# Altium PCB FMC_ADC_128CH_10B.PcbDoc (part 8 of 14) (continued)
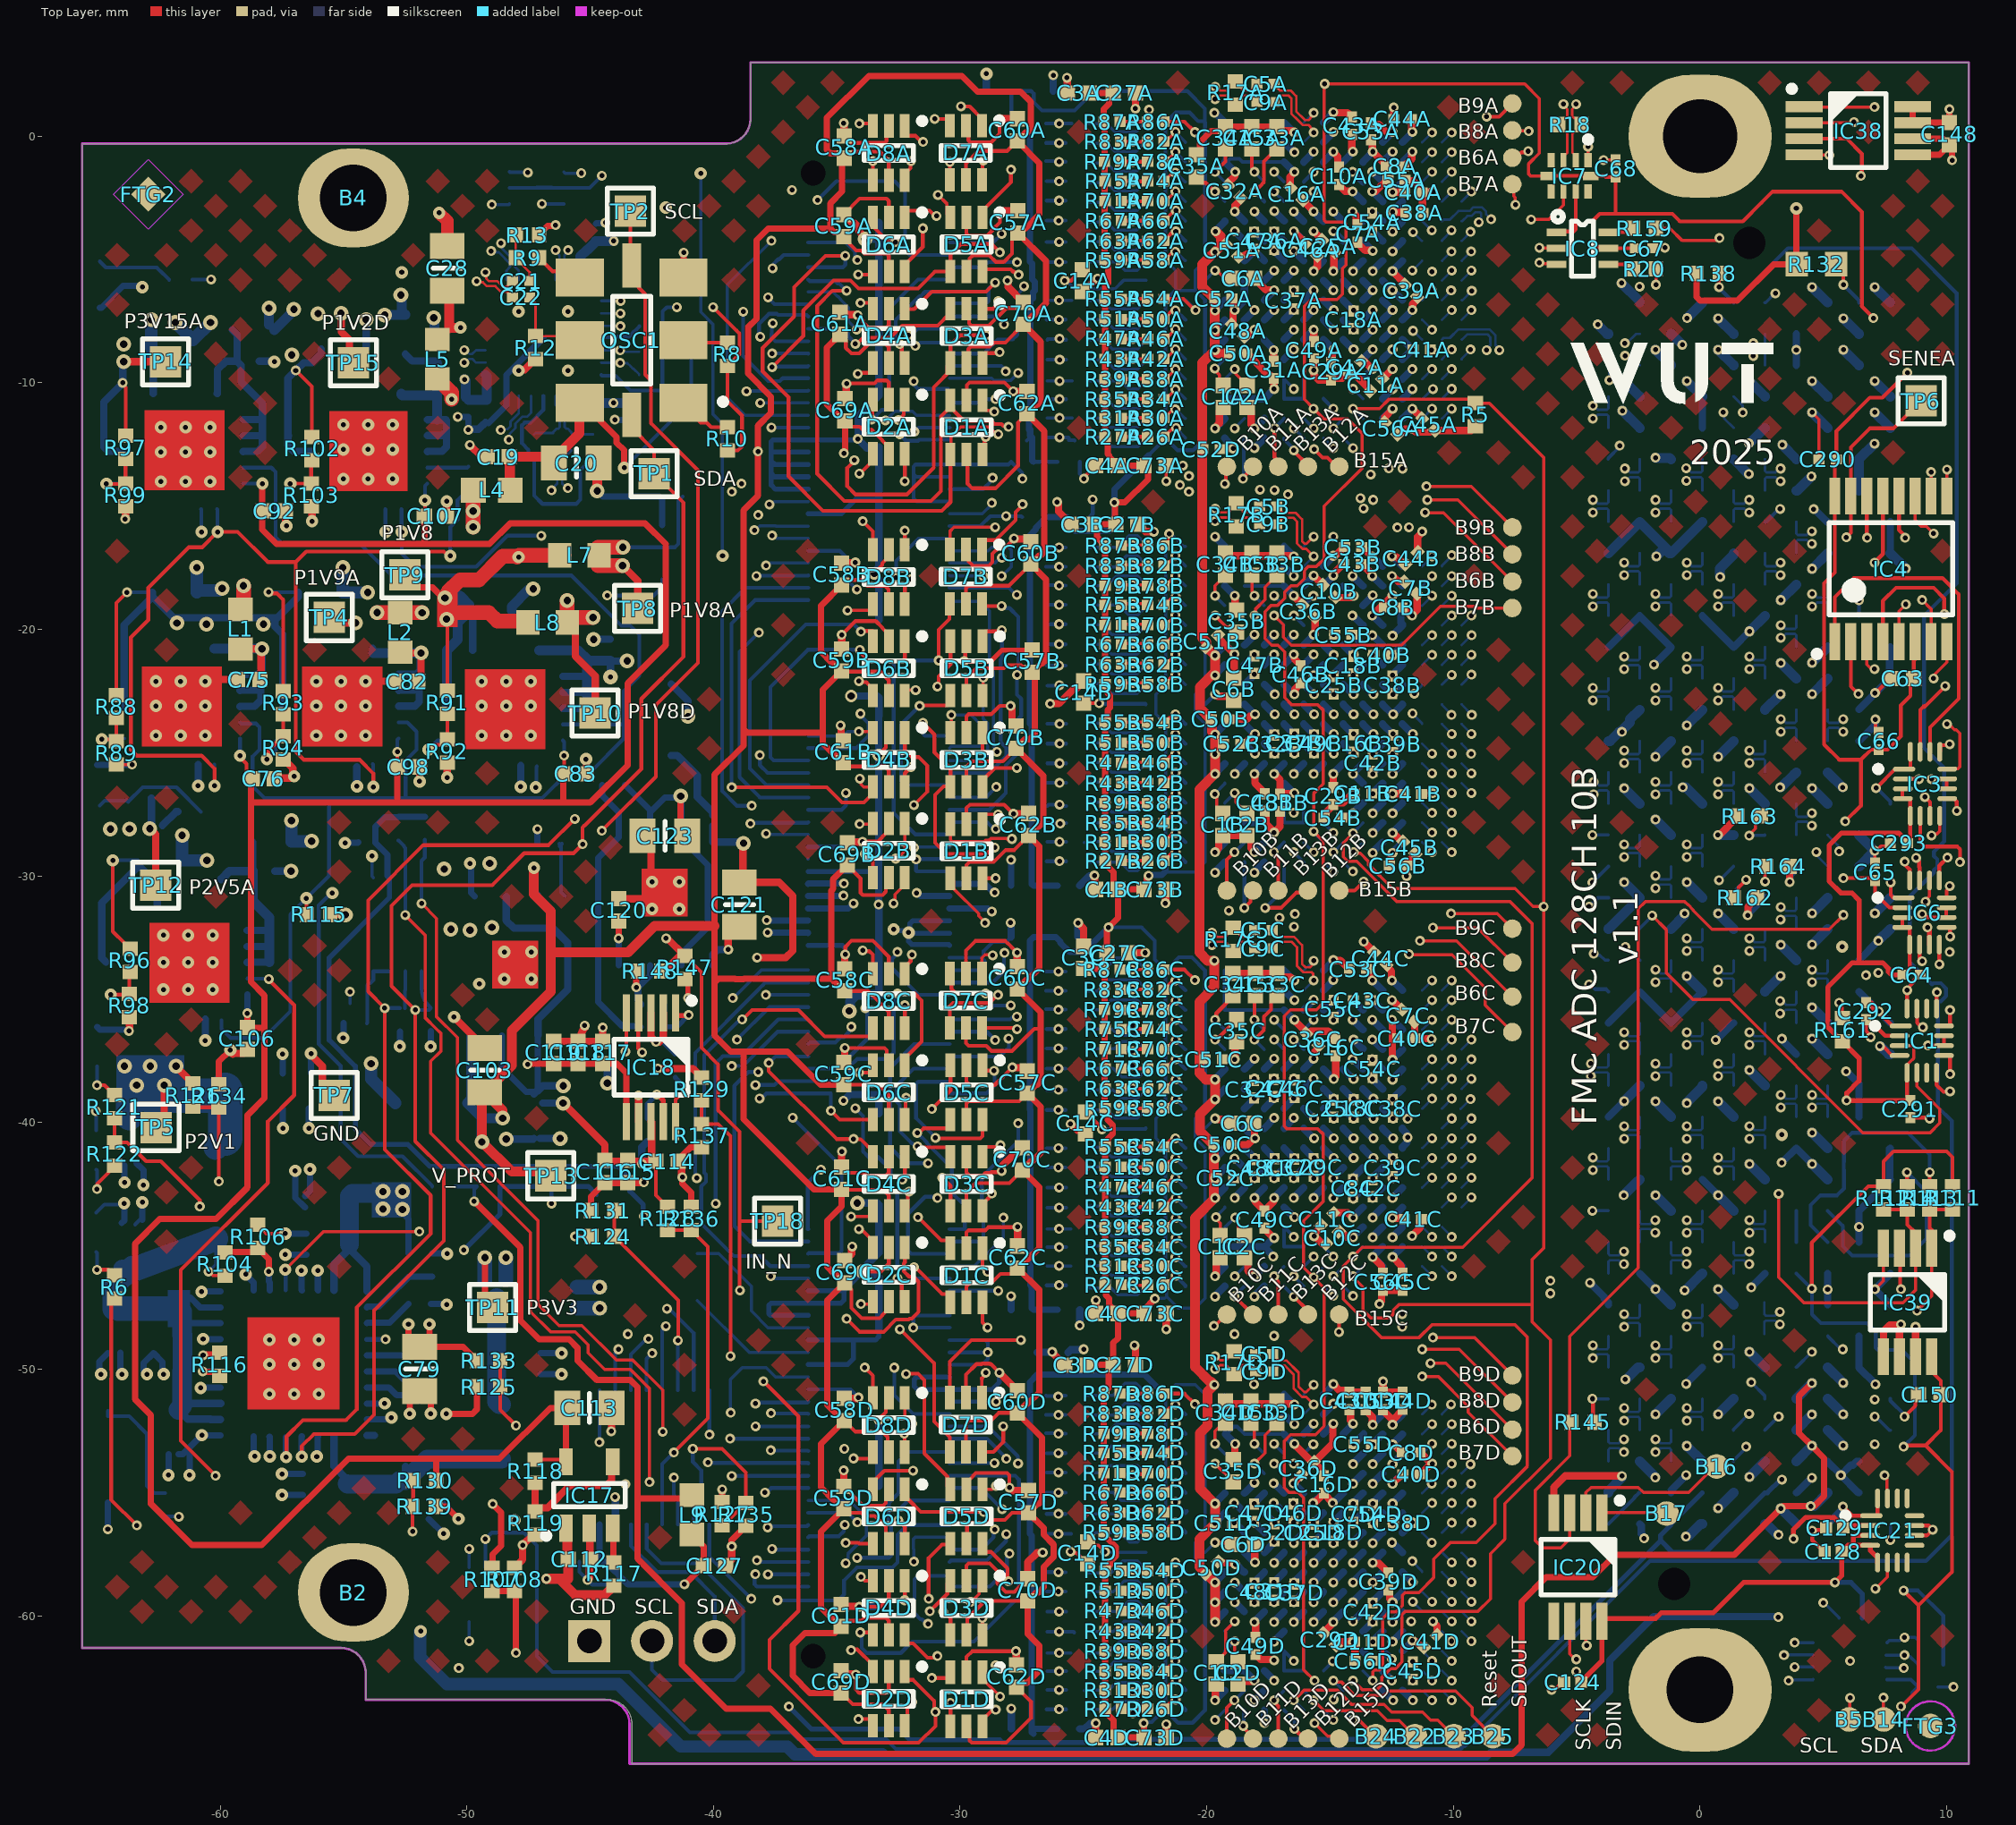
[diagram p0: Top Layer view]
## Nets (pads, with @x,y where several pads share a name; then routed paths per layer and width w, separated by ;. In a path a pad name is that pad's centre, name@x,y a point inside that pad or via, vN(x,y) a via of type N, cw(c..) or ccw(c..) an arc to the next point about the centre after c; other vN are vias at no path point) (continued)
  Bottom Layer w0.5: v3(-61.816,-7.553) -61.102,-8.266 v3(-60.388,-7.553) ; v3(-61.54,-28.351) C101.1@-61.54,-29.36 v3(-60.531,-29.36) ; v3(-60.946,-17.488) C77.1@-60.946,-18.498 -60.867,-18.419 -60.03,-18.419 -59.945,-18.334 v3(-59.918,-18.334) ; v3(-55.026,-17.488) C93.1@-55.026,-18.498 v3(-54.017,-18.498) ; v3(-53.878,-37.607) -53.878,-38.221 C110.2@-52.896,-39.204
  Bottom Layer w0.6: C96.2@-45.529,-46.665 v3(-44.617,-46.665) ; C96.2@-45.526,-47.518 v3(-44.613,-47.518)
  other v1: -14.856,-63.393 -11.657,-61.857 6.085,-61.83 -17.269,-61.797 -11.712,-60.225 -14.067,-59.448 -13.267,-59.448 -18.067,-58.648 -17.267,-58.648 -16.467,-58.648 -15.667,-58.648 -14.867,-58.648 -14.067,-58.648 -13.267,-58.648 -11.645,-58.625 -17.267,-57.848 -16.467,-57.848 -15.667,-57.848 -14.867,-57.848 -14.067,-57.848 -25.526,-57.391 -16.467,-57.048 -14.067,-57.048 -13.267,-57.048 -12.49,-57.025 -17.267,-57.003 -14.067,-56.248 -13.267,-56.248 -18.89,-56.225 -18.09,-56.225 -16.467,-56.203 -11.667,-56.203 -34.693,-53.226 -14.041,-53.019 -16.445,-52.225 -15.667,-52.203 -14.867,-51.403 -18.089,-50.611 -17.269,-48.646 -18.873,-48.573 -19.667,-47.052 -18.067,-47.052 -4.46,-46.495 -3.097,-42.947 -18.867,-42.252 -14.067,-42.252 -13.267,-42.252 -18.045,-41.43 -17.245,-41.43 -16.445,-41.43 -15.645,-41.43 -14.845,-41.43 -14.045,-41.43 -13.245,-41.43 -12.445,-41.43 -15.645,-40.63 -14.845,-40.63 -14.045,-40.63 -13.245,-40.63 -12.445,-40.63 -15.645,-39.83 -14.845,-39.83 -14.045,-39.83 -13.245,-39.83 -12.445,-39.83 -17.267,-39.807 -16.467,-39.807 -34.728,-39.112 -13.245,-39.03 -18.067,-39.007 -17.267,-39.007 -16.467,-39.007 -13.29,-38.23 -16.445,-35.03 -14.09,-35.03 -15.667,-35.007 -14.867,-35.007 -14.867,-34.207 -19.667,-29.856 -18.067,-29.856 -10.835,-26.641 -13.267,-25.056 -18.045,-24.234 -17.245,-24.234 -16.445,-24.234 -15.645,-24.234 -14.845,-24.234 -13.245,-24.234 -12.445,-24.234 -11.645,-24.234 -18.045,-23.434 -17.245,-23.434 -16.445,-23.434 -15.645,-23.434 -14.845,-23.434 -14.045,-23.434 -13.245,-23.434 -17.245,-22.634 -15.645,-22.634 -14.845,-22.634 -14.045,-22.634 -13.245,-22.634 -14.067,-21.856 -18.067,-21.811 -14.854,-20.211 -14.09,-17.834 -14.867,-17.011 -10.889,-8.663 -14.845,-7.045 -14.045,-7.045 -2.447,-6.097 -10.867,-5.49 -14.067,-5.468 -13.267,-5.468 -13.29,-3.845 -36.811,-2.18 -16.445,-0.645 -15.667,-0.623 -14.867,0.177 -19.69,0.955 -12.421,1.166
  other v2: -58,-51 -57,-51 -56,-51 -58,-49.8 -57,-49.8 -56,-49.8 -58,-48.8 -57,-48.8 -56,-48.8 -62.3,-34.6 -61.3,-34.6 -60.3,-34.6 -49.496,-34.372 -48.479,-34.178 -47.379,-34.178 -62.296,-33.496 -61.296,-33.496 -60.296,-33.496 -48.479,-33.078 -47.379,-33.078 -62.3,-32.4 -61.3,-32.4 -60.3,-32.4 -41.386,-31.334 -41.386,-30.234 -51.912,-26.161 -62.6,-24.3 -61.6,-24.3 -60.6,-24.3 -56.1,-24.3 -55.1,-24.3 -54.1,-24.3 -49.4,-24.3 -48.4,-24.3 -47.4,-24.3 -62.6,-23.1 -61.6,-23.1 -60.6,-23.1 -56.1,-23.1 -55.1,-23.1 -54.1,-23.1 -49.4,-23.1 -48.4,-23.1 -47.4,-23.1 -62.6,-22.1 -61.6,-22.1 -56.1,-22.1 -55.1,-22.1 -54.1,-22.1 -49.4,-22.1 -48.4,-22.1 -47.4,-22.1 -62.4,-14 -61.4,-14 -60.4,-14 -55,-13.9 -54,-13.9 -53,-13.9 -62.4,-12.8 -61.4,-12.8 -60.4,-12.8 -55,-12.7 -54,-12.7 -53,-12.7 -62.4,-11.8 -61.4,-11.8 -60.4,-11.8 -55,-11.7 -54,-11.7 -53,-11.7 -45.9,-9.5 -47.9,-7.1 -45.9,-7.1
HA19_N: IC3.7 J6.f20 R162.2 | length 13.1
  Top Layer w0.152: R162.2@1.363,-30.874 1.563,-30.675 1.563,-30.455 v1(1.87,-30.148) ; v1(9.112,-26.793) 9.323,-27.003 IC3.7@9.323,-27.56
  Int4 (Sign) w0.127: v1(1.87,-30.148) 1.321,-29.6 1.321,-28.502 2.753,-27.071 7.024,-27.071 7.302,-26.793 v1(9.112,-26.793)
  Bottom Layer w0.152: J6.f20@1.363,-30.874 1.456,-30.781 1.456,-30.562 v1(1.87,-30.148)
HA19_P: IC6.8 J6.f19 | length 13.9
  Top Layer w0.152: v1(9.7,-33.575) IC6.8@9.7,-32.779
  Int4 (Sign) w0.127: v1(0.773,-30.165) 1.223,-30.615 6.74,-30.615 7.085,-30.96 7.784,-30.96 8.282,-30.461 9.166,-30.461 9.246,-30.541 9.316,-30.541 9.523,-30.748 9.523,-30.818 9.7,-30.995 v1(9.7,-33.575)
  Bottom Layer w0.127: v1(0.773,-30.165) 0.802,-30.165 J6.f19@1.363,-29.604
HA20_N: IC3.9 J6.e19 R164.2 | length 11.7
  Top Layer w0.152: v1(2.635,-30.222) 2.635,-29.604 R164.2@2.693,-29.604 ; IC3.9@10.023,-26.86 10.31,-26.86 10.347,-26.896 10.347,-26.914 10.408,-26.975 v1(10.408,-27.352)
  Int1 (Sign) w0.127: v1(2.635,-30.222) 2.99,-29.868 4.211,-29.868 4.976,-30.632 6.2,-30.632 9.48,-27.352 v1(10.408,-27.352)
  Bottom Layer w0.152: J6.e19@2.633,-29.604 2.635,-29.604 v1(2.635,-30.222)
HA20_P: IC3.8 J6.e18 R163.2 | length 10.1
  Top Layer w0.127: v1(1.993,-28.359) 1.993,-28.332 2.25,-28.075 2.25,-27.786 R163.2@2.476,-27.56 ; v1(9.384,-28.354) 9.436,-28.301 9.589,-28.301 9.709,-28.182 9.709,-27.573 IC3.8@9.723,-27.56
  Int4 (Sign) w0.127: v1(1.993,-28.359) 2.011,-28.341 9.371,-28.341 v1(9.384,-28.354)
  Bottom Layer w0.127: v1(1.993,-28.359) 2.005,-28.347 2.621,-28.347 J6.e18@2.633,-28.334
HA21_N: IC1.8 J6.k20 | length 38.4
  Top Layer w0.152: IC1.8@9.591,-37.976 9.591,-38.472 9.866,-38.747 v1@10.134,-38.747
  Int6 (Sign) w0.127: v1(-4.502,-31.238) -4.492,-31.228 -1.716,-31.228 -0.893,-32.05 -0.19,-32.05 1.627,-33.867 1.627,-42.579 7.757,-48.71 9.103,-48.71 9.644,-48.17 9.644,-44.225 10.143,-43.726 v1@10.143,-38.738
  Bottom Layer w0.152: v1(-4.502,-31.238) -4.138,-30.874 J6.k20@-3.717,-30.874
  other v1: 10.134,-38.73
HA21_P: IC3.6 J6.k19 R161.2 | length 31.3
  Top Layer w0.127: v1(5.639,-35.136) 5.639,-35.207 5.768,-35.336 R161.2@5.768,-35.764
  Top Layer w0.152: IC3.6@8.923,-27.56 8.923,-28.626 9.101,-28.805 10.433,-28.805 10.54,-28.911 v1(10.54,-29.434)
  Int1 (Sign) w0.127: v1(-4.364,-30.258) -6.332,-30.258 -6.79,-30.716 -6.79,-31.713 -4.58,-33.923 -3.146,-33.923 -2.391,-34.678 5.181,-34.678 v1(5.639,-35.136)
  Int3 (Sign) w0.127: v1(5.639,-35.136) 6.329,-34.446 7.235,-34.446 8.141,-33.54 8.141,-32.997 8.409,-32.728 8.409,-30.409 9.139,-29.679 10.295,-29.679 v1(10.54,-29.434)
  Bottom Layer w0.152: v1(-4.364,-30.258) -4.364,-30.255 -3.717,-29.608 J6.k19@-3.717,-29.604
HA22_N: IC1.9 J6.j22 | length 19.8
  Top Layer w0.152: IC1.9@9.891,-37.276 10.114,-37.276 10.136,-37.298 v1@10.136,-38.028
  Int3 (Sign) w0.152: v1(-3.028,-32.869) -2.488,-33.408 -1.407,-33.408 -1.394,-33.421 0.074,-33.421 0.086,-33.408 1.555,-33.408 1.595,-33.448 3.01,-33.448 3.131,-33.327 5.18,-33.327 5.639,-32.869 v2(5.76,-32.869)
  Int4 (Sign) w0.127: v2(5.76,-32.869) 6.329,-33.438 6.329,-37.268 7.091,-38.029 v1(10.137,-38.029)
  Bottom Layer w0.152: v1(-3.028,-32.869) -3.01,-32.869 -2.465,-33.414 J6.j22@-2.447,-33.414
HA22_P: IC1.6 J6.j21 | length 19.7
  Top Layer w0.127: v1(-1.943,-31.601) -1.359,-32.186 -1.359,-33.939 -0.289,-35.009 1.203,-35.009 6.602,-40.407 9.327,-40.407 9.723,-40.012 9.723,-39.45 8.791,-38.518 IC1.6@8.791,-37.976
  Bottom Layer w0.127: J6.j21@-2.447,-32.144 -2.447,-32.125 -1.943,-31.621 v1(-1.943,-31.601)
HA23_P: IC6.9 J6.k22 | length 16.1
  Top Layer w0.152: IC6.9@10,-32.079 10.114,-32.079 10.136,-32.101 v1(10.136,-32.451)
  Int1 (Sign) w0.127: v1(-4.309,-33.153) -4.267,-33.153 -4.012,-33.408 6.079,-33.408 6.413,-33.075 9.513,-33.075 v1(10.136,-32.451)
  Bottom Layer w0.127: v1(-4.309,-33.153) -4.257,-33.205 -4.065,-33.205 -3.856,-33.414 J6.k22@-3.717,-33.414
HB06_CC_N: IC5.13 J6.k29 | length 90
  Int1 (Sign) w0.091: v1(-12.071,-48.274) -11.931,-48.134 -9.812,-48.134 -8.46,-46.783 -6.275,-46.783 -6.135,-46.923 v1(-6.068,-46.923)
  Int4 (Sign) w0.091: v1(-48.624,-11.912) -48.673,-11.96 -48.673,-12.141 -48.771,-12.24 -49.027,-12.24 -49.215,-12.428 -49.215,-13.867 -47.735,-15.347 -44.022,-15.347 -42.976,-16.394 -42.976,-29.065 -43.399,-29.489 -43.399,-32.147 ccw(c-43.368,-32.161) -43.402,-32.161 -41.902,-33.661 -41.902,-39.232 -41.902,-46.265 -38.447,-49.72 -34.455,-49.72 -34.256,-49.521 -31.65,-49.521 -30.249,-50.922 -26.692,-50.922 -26.366,-50.597 -20.718,-50.597 -20.083,-51.233 -17.506,-51.233 -16.174,-49.901 -14.969,-49.901 -13.214,-48.145 -12.267,-48.145 -12.138,-48.274 v1(-12.071,-48.274)
  Int6 (Sign) w0.091: v1(-6.068,-46.923) -6.001,-46.923 -5.861,-46.783 -5.649,-46.783 -5.328,-46.461 -5.328,-42.305 -4.806,-41.784 -4.557,-41.784 -4.417,-41.924 v1(-4.35,-41.924)
  Bottom Layer w0.1: v1(-48.624,-11.912) -48.595,-11.882 -48.359,-11.882 -48.231,-11.753 -48.231,-11.57 -47.894,-11.233 IC5.13@-47.894,-10.529 ; v1(-4.35,-41.924) -4.296,-41.924 -4.141,-41.769 -3.858,-41.769 -3.776,-41.769 -3.717,-41.828 J6.k29@-3.717,-42.304
HB06_CC_P: IC5.12 J6.k28 | length 89.8
  Int1 (Sign) w0.091: v1(-12.071,-47.764) -11.931,-47.904 -9.907,-47.904 -8.555,-46.553 -6.275,-46.553 -6.135,-46.413 v1(-6.068,-46.413)
  Int4 (Sign) w0.091: v1(-48.299,-12.304) -48.347,-12.352 -48.543,-12.352 -48.672,-12.481 -48.927,-12.481 -48.974,-12.528 -48.974,-13.767 -47.635,-15.106 -43.923,-15.106 -42.735,-16.294 -42.735,-29.221 -43.158,-29.645 -43.158,-32.064 -41.661,-33.561 -41.661,-39.132 -41.661,-46.165 -38.347,-49.479 -34.554,-49.479 -34.356,-49.28 -31.55,-49.28 -30.149,-50.681 -26.791,-50.681 -26.466,-50.356 -20.619,-50.356 -19.983,-50.992 -17.606,-50.992 -16.274,-49.66 -15.069,-49.66 -13.314,-47.904 -12.278,-47.904 -12.138,-47.764 v1(-12.071,-47.764)
  Int6 (Sign) w0.091: v1(-6.068,-46.413) -6.001,-46.413 -5.861,-46.553 -5.744,-46.553 -5.558,-46.366 -5.558,-42.21 -4.902,-41.554 -4.557,-41.554 -4.417,-41.414 v1(-4.35,-41.414)
  Bottom Layer w0.1: v1(-48.299,-12.304) -48.251,-12.257 -48.251,-12.057 -48.031,-11.836 -48.031,-11.652 -47.751,-11.373 -47.552,-11.373 -47.394,-11.214 IC5.12@-47.394,-10.529 ; v1(-4.35,-41.414) -4.296,-41.414 -4.141,-41.569 -3.941,-41.569 -3.776,-41.569 -3.717,-41.511 J6.k28@-3.717,-41.034
HB20_N: IC21.6 J6.f38 | length 23.3
  Top Layer w0.127: v1(7.109,-58.898) 7.126,-58.898 7.597,-58.427 IC21.6@7.597,-57.838
  Int6 (Sign) w0.127: v1(1.87,-53.137) 2.611,-52.395 2.611,-49.572 4.104,-48.079 6.309,-48.079 9.37,-51.14 9.37,-55.241 8.391,-56.221 8.391,-57.616 v1(7.109,-58.898)
  Bottom Layer w0.127: J6.f38@1.363,-53.734 1.363,-53.689 1.87,-53.182 v1(1.87,-53.137)
HB20_P: IC20.7 IC55.4 J6.f37 R21.1 | length 92.6
  Top Layer w0.127: v1(-51.833,-31.111) -51.229,-31.716 -51.229,-35.704 -50.383,-36.55 -50.383,-40.709 -47.12,-43.972 -47.12,-47.363 -46.261,-48.222 -45.338,-48.222 -43.929,-49.631 -43.274,-49.631 -42.058,-50.846 v1(-42.058,-52.536) ; IC20.7@-4.628,-60.218 -4.628,-61.17 v1(-4.595,-61.203)
  Int4 (Sign) w0.127: v1(-42.058,-52.536) -42.058,-57.085 -40.871,-58.272 -40.805,-58.272 -40.598,-58.479 -40.598,-58.545 -34.555,-64.588 -28.102,-64.588 -26.14,-62.626 -25.606,-62.626 -24.812,-61.832 -21.816,-61.832 -21.414,-62.234 -13.93,-62.234 -13.694,-62.471 -13.694,-62.896 -12.695,-63.895 -8.98,-63.895 -8.759,-63.674 -7.52,-63.674 -5.051,-61.204 -4.595,-61.204 -4.595,-61.142 -2.964,-59.511 -2.964,-58.323 -1.863,-57.222 -0.126,-57.222 1.198,-55.898 1.198,-52.596 v1(1.99,-51.804)
  Bottom Layer w0.127: J6.f37@1.363,-52.464 1.363,-52.431 v1(1.99,-51.804)
  Bottom Layer w0.152: v1(-51.833,-31.111) -51.835,-31.109 -51.835,-30.066 IC55.4@-51.837,-30.063 -51.837,-29.384 -51.701,-29.248 R21.1@-51.701,-28.528
HB21_N: IC20.6 IC55.3 J6.e37 R158.1 | length 98
  Top Layer w0.127: v1(-52.497,-31.585) -51.675,-32.407 -51.675,-35.759 -51.271,-36.163 -51.26,-36.163 -51.04,-36.383 -51.04,-37.087 -51.459,-37.506 -51.459,-40.421 -47.42,-44.46 -47.42,-47.661 -46.597,-48.485 -45.608,-48.485 -45.078,-49.014 -45.078,-49.339 -44.414,-50.003 -43.368,-50.003 -42.588,-50.783 v1(-42.588,-54.569) ; IC20.6@-5.278,-60.218 -5.278,-61.538 -5.018,-61.798 v1(-5.018,-61.76)
  Int1 (Sign) w0.127: v1(-5.018,-61.76) v1@-5.016,-61.76
  Int4 (Sign) w0.127: v1(-42.588,-54.569) -42.588,-57.928 -41.281,-59.235 -41.281,-61.52 -37.935,-64.866 -26.342,-64.866 -24.101,-62.625 -21.752,-62.625 -21.358,-63.019 -14.182,-63.019 -12.567,-64.634 -7.885,-64.634 -7.492,-64.634 -7.35,-64.634 -6.067,-63.351 -5.777,-63.351 -5.598,-63.172 -5.598,-62.27 -5.089,-61.76 v1(-5.018,-61.76) -4.951,-61.827 -4.864,-61.827 -4.873,-61.799 -4.508,-61.799 -4.274,-61.566 -4.274,-61.559 -2.307,-59.591 -2.307,-58.11 -1.701,-57.504 0.691,-57.504 2.886,-55.309 2.886,-53.465 3.187,-53.165 v1(3.187,-51.92)
  Bottom Layer w0.127: J6.e37@2.633,-52.464 3.177,-51.92 v1(3.187,-51.92)
  Bottom Layer w0.152: R158.1@-52.782,-28.558 -52.762,-28.558 -52.548,-28.772 -52.548,-28.8 -52.487,-28.862 IC55.3@-52.487,-30.063 -52.492,-30.068 -52.492,-31.58 v1(-52.497,-31.585)
HB21_P: IC6.6 J6.e36 | length 23.6
  Top Layer w0.152: IC6.6@8.9,-32.779 8.9,-33.344 v1(9.004,-33.448)
  Int1 (Sign) w0.127: v1(2.076,-50.53) 2.671,-50.53 5.76,-47.44 5.76,-44.067 5.395,-43.701 5.395,-37.755 6.025,-37.125 6.025,-34.13 6.707,-33.448 v1(9.004,-33.448)
  Bottom Layer w0.127: v1(2.076,-50.53) 2.633,-51.086 J6.e36@2.633,-51.194
IN_N0: J1.35
IN_N1: J1.82 | length 0
  Bottom Layer w0.127: J1.82@-36.169,-29.302 J1.82@-36.158,-29.312
IN_N2: J1.98
IN_N3: J1.133 | length 0.1
  Bottom Layer w0.127: J1.133@-30.428,-47.315 J1.133@-30.37,-47.373
INA_N: C3A.1 C3B.1 C3C.1 C3D.1 C4A.1 C4B.1 C4C.1 C4D.1 C26A.1 C26B.1 C26C.1 C26D.1 C27A.1 C27B.1 C27C.1 C27D.1 C71A.1 C71B.1 C71C.1 C71D.1 C72A.1 C72B.1 C72C.1 C72D.1 C73A.1 C73B.1 C73C.1 C73D.1 C74A.1 C74B.1 C74C.1 C74D.1 C121.2 C122.1 IC19.8 IC22.5 R22A.2 R22B.2 R22C.2 R22D.2 R27A.2 R27B.2 R27C.2 R27D.2 R28A.2 R28B.2 R28C.2 R28D.2 R31A.2 R31B.2 R31C.2 R31D.2 R32A.2 R32B.2 R32C.2 R32D.2 R35A.2 R35B.2 R35C.2 R35D.2 R36A.2 R36B.2 R36C.2 R36D.2 R39A.2 R39B.2 R39C.2 R39D.2 R40A.2 R40B.2 R40C.2 R40D.2 R43A.2 R43B.2 R43C.2 R43D.2 R44A.2 R44B.2 R44C.2 R44D.2 R47A.2 R47B.2 R47C.2 R47D.2 R48A.2 R48B.2 R48C.2 R48D.2 R51A.2 R51B.2 R51C.2 R51D.2 R52A.2 R52B.2 R52C.2 R52D.2 R55A.2 R55B.2 R55C.2 R55D.2 R56A.2 R56B.2 R56C.2 R56D.2 R59A.2 R59B.2 R59C.2 R59D.2 R60A.2 R60B.2 R60C.2 R60D.2 R63A.2 R63B.2 R63C.2 R63D.2 R64A.2 R64B.2 R64C.2 R64D.2 R67A.2 R67B.2 R67C.2 R67D.2 R68A.2 R68B.2 R68C.2 R68D.2 R71A.2 R71B.2 R71C.2 R71D.2 R72A.2 R72B.2 R72C.2 R72D.2 R75A.2 R75B.2 R75C.2 R75D.2 R76A.2 R76B.2 R76C.2 R76D.2 R79A.2 R79B.2 R79C.2 R79D.2 R80A.2 R80B.2 R80C.2 R80D.2 R83A.2 R83B.2 R83C.2 R83D.2 R84A.2 R84B.2 R84C.2 R84D.2 R87A.2 R87B.2 R87C.2 R87D.2 R147.1 R148.1 TP18.1 U1A.B1 U1A.B2 U1A.B3 U1A.B4 U1A.B5 U1A.B6 U1A.B7 U1A.B8 U1A.B10 U1A.B11 U1A.B12 U1A.B13 U1A.B14 U1A.B15 U1A.B16 U1A.B17 U1A.D1 U1A.D2 U1A.D3 U1A.D4 U1A.D5 U1A.D6 U1A.D7 U1A.D8 U1A.D10 U1A.D11 U1A.D12 U1A.D13 U1A.D14 U1A.D15 U1A.D16 U1A.D17 U1B.B1 U1B.B2 U1B.B3 U1B.B4 U1B.B5 U1B.B6 U1B.B7 U1B.B8 U1B.B10 U1B.B11 U1B.B12 U1B.B13 U1B.B14 U1B.B15 U1B.B16 U1B.B17 U1B.D1 U1B.D2 U1B.D3 U1B.D4 U1B.D5 U1B.D6 U1B.D7 U1B.D8 U1B.D10 U1B.D11 U1B.D12 U1B.D13 U1B.D14 U1B.D15 U1B.D16 U1B.D17 U1C.B1 U1C.B2 U1C.B3 U1C.B4 U1C.B5 U1C.B6 U1C.B7 U1C.B8 U1C.B10 U1C.B11 U1C.B12 U1C.B13 U1C.B14 U1C.B15 U1C.B16 U1C.B17 U1C.D1 U1C.D2 U1C.D3 U1C.D4 U1C.D5 U1C.D6 U1C.D7 U1C.D8 U1C.D10 U1C.D11 U1C.D12 U1C.D13 U1C.D14 U1C.D15 U1C.D16 U1C.D17 U1D.B1 U1D.B2 U1D.B3 U1D.B4 U1D.B5 U1D.B6 U1D.B7 U1D.B8 U1D.B10 U1D.B11 U1D.B12 U1D.B13 U1D.B14 U1D.B15 U1D.B16 U1D.B17 U1D.D1 U1D.D2 U1D.D3 U1D.D4 U1D.D5 U1D.D6 U1D.D7 U1D.D8 U1D.D10 U1D.D11 U1D.D12 U1D.D13 U1D.D14 U1D.D15 U1D.D16 U1D.D17 | length 369.5
  Top Layer w0.15: v1@-41.936,-32.545 v1(-41.917,-32.527) ; R147.1@-41.154,-33.243 -40.489,-33.908 -40.489,-36.955 -39.807,-37.637 -39.807,-39.501 -38.944,-40.364 -38.944,-43.972 v1@-38.944,-46.798
  Top Layer w0.152: -38.944,-43.972 -38.925,-43.991 TP18.1@-37.4,-43.991
  Top Layer w0.254: C3C.1@-24.99,-33.745 -24.967,-33.769 -24.196,-33.769 R87C.2@-24.172,-33.793 ; C3D.1@-24.863,-49.827 -24.86,-49.824 C27D.1@-23.793,-49.824 ; C3A.1@-24.85,1.76 C27A.1@-23.789,1.76 -23.953,1.596 -23.953,1.323 -24.172,1.104 R87A.2@-24.172,0.592 -24.147,0.566 -24.147,-4.996 R59A.2@-24.122,-5.022 -24.102,-5.022 -23.991,-5.132 -23.991,-5.951 -24.122,-6.081 R55A.2@-24.122,-6.597 ; C27C.1@-24.196,-33.247 -24.172,-33.27 R87C.2@-24.172,-33.793 ; R55A.2@-24.122,-6.597 R27A.2@-24.122,-12.185 -24.102,-12.185 -24.019,-12.268 -24.019,-12.879 -23.953,-12.945 -23.953,-13 C4A.1@-23.6,-13.353 C73A.1@-22.545,-13.353 -22.386,-13.511 -22.386,-13.913 -23.321,-14.847 v1(-23.745,-14.847) -23.717,-14.875 -23.717,-15.705 C27B.1@-23.688,-15.734 C3B.1@-24.593,-15.734 -24.451,-15.875 -24.451,-16.243 -24.365,-16.329 -24.365,-16.354 -24.225,-16.494 -24.225,-16.514 -24.142,-16.597 R87B.2@-24.122,-16.597 R83B.2@-24.122,-17.41 R79B.2@-24.122,-18.223 R75B.2@-24.122,-19.01 R71B.2@-24.122,-19.823 R67B.2@-24.122,-20.61 R63B.2@-24.122,-21.423 R59B.2@-24.122,-22.21 -24.102,-22.21 -24.019,-22.293 -24.019,-22.583 -23.928,-22.674 -23.928,-23.172 -24.018,-23.262 -24.018,-23.702 -24.101,-23.785 R55B.2@-24.121,-23.785 R51B.2@-24.121,-24.598 R47B.2@-24.121,-25.411 R43B.2@-24.121,-26.224 R39B.2@-24.121,-27.036 R35B.2@-24.121,-27.849 R31B.2@-24.121,-28.611 R27B.2@-24.121,-29.373 -24.101,-29.373 -24.018,-29.456 -24.018,-29.616 -23.783,-29.851 -23.783,-30.359 C4B.1@-23.6,-30.542 ; R55C.2@-24.122,-40.981 R55C.2@-24.102,-40.981 ; C27C.1@-24.05,-33.11 -24.042,-33.101 -24.042,-32.18 -23.98,-32.118 v1(-23.98,-32.079) -23.6,-31.699 C4B.1@-23.6,-30.542 ; v1(-22.554,-64.353) -22.549,-64.358 -22.549,-64.929 C73D.1@-22.554,-64.933 ; C73D.1@-22.545,-64.933 C73D.1@-22.554,-64.933 ; v1(-22.358,-29.984) -22.436,-30.062 -22.436,-30.433 C73B.1@-22.545,-30.542 C4B.1@-23.6,-30.542 ; v1(-22.1,-47.139) -22.545,-47.583 C73C.1@-22.545,-47.737 C4C.1@-23.6,-47.737 ; R87C.2@-24.172,-33.793 -24.147,-33.818 -24.147,-39.381 -24.127,-39.381 -24.019,-39.489 -24.019,-39.894 -23.819,-40.093 -23.819,-40.455 -24.019,-40.655 -24.019,-40.898 R55C.2@-24.102,-40.981 ; R55C.2@-24.102,-40.981 R55C.2@-24.122,-40.981 R27C.2@-24.122,-46.569 -24.082,-46.609 -24.082,-47 -23.953,-47.129 -23.953,-47.384 C4C.1@-23.6,-47.737 ; C27D.1@-23.793,-49.824 -23.972,-50.003 -23.972,-50.14 -23.985,-50.152 -23.985,-50.757 -24.069,-50.841 -24.069,-50.906 -24.152,-50.989 R87D.2@-24.172,-50.989 R83D.2@-24.172,-51.801 R79D.2@-24.172,-52.614 R75D.2@-24.172,-53.402 R71D.2@-24.172,-54.214 R67D.2@-24.172,-55.002 R63D.2@-24.172,-55.815 R59D.2@-24.172,-56.602 -24.152,-56.602 -24.069,-56.685 -24.069,-56.82 -23.686,-57.203 -23.686,-57.584 -23.929,-57.827 -23.929,-57.945 -24.019,-58.035 -24.019,-58.094 -24.102,-58.177 R55D.2@-24.122,-58.177 R51D.2@-24.122,-58.99 R47D.2@-24.122,-59.802 R43D.2@-24.122,-60.615 R39D.2@-24.122,-61.428 R35D.2@-24.122,-62.241 R31D.2@-24.122,-63.003 R27D.2@-24.122,-63.765 -24.102,-63.765 -24.019,-63.848 -24.019,-64.007 -23.783,-64.242 -23.783,-64.75 C4D.1@-23.6,-64.933 C73D.1@-22.554,-64.933 ; C27D.1@-23.793,-49.824 C27D.1@-23.789,-49.82 -23.789,-48.934 -23.6,-48.745 C4C.1@-23.6,-47.737
  Top Layer w0.3: R148.1@-42.112,-33.851 -41.975,-33.851 -41.366,-33.243 R147.1@-41.154,-33.243 -41.87,-32.527 v1(-41.917,-32.527) ; v3(-38.779,-28.667) -38.805,-28.694 -38.805,-30.116 C121.2@-38.944,-30.255 -37.335,-30.255 -36.785,-30.804 -36.785,-33.028 -37.066,-33.308 v1(-38.232,-33.308)
  Int3 (Sign) w0.15: v1(-41.93,-48.248) -40.479,-46.798 v1(-38.928,-46.798)
  Int6 (Sign) w0.254: v1(-41.917,-32.527) -41.936,-32.545 -41.936,-32.848 -41.132,-33.651 -38.575,-33.651 v1(-38.232,-33.308) -37.055,-33.308 -36.593,-33.77 -27.133,-33.77 -26.274,-32.911 -24.812,-32.911 v1(-23.98,-32.079)
  Bottom Layer w0.127: R84D.2@-27.174,-51.065 R80D.2@-27.174,-51.852 R76D.2@-27.174,-52.589 -27.174,-53.006 -27.162,-53.019 -27.149,-53.031 R72D.2@-27.149,-53.402 R68D.2@-27.149,-54.189 -27.149,-54.606 R64D.2@-27.149,-55.002 R60D.2@-27.149,-55.865 R56D.2@-27.149,-56.678 ; v1(-22.1,-47.139) -22.085,-47.124 -21.71,-47.124 -21.631,-47.045 ; U1D.B8@-21.667,-56.625 U1D.B7@-21.667,-55.825 U1D.B6@-21.667,-55.025 U1D.B5@-21.667,-54.225 U1D.B4@-21.667,-53.425 U1D.B3@-21.667,-52.625 U1D.B2@-21.667,-51.825 U1D.B1@-21.667,-51.025 -21.267,-50.625 -20.467,-50.625 U1D.D1@-20.067,-51.025 -20.063,-51.09 -20.067,-51.095 U1D.D2@-20.067,-51.825 U1D.D3@-20.067,-52.625 U1D.D4@-20.067,-53.425 U1D.D5@-20.067,-54.225 U1D.D6@-20.067,-55.025 U1D.D7@-20.067,-55.825 U1D.D8@-20.067,-56.625 -20.467,-57.025 -20.467,-57.825 U1D.D10@-20.067,-58.225 ; U1C.B17@-21.667,-46.63 -21.631,-46.666 -21.631,-47.045 ; U1C.B10@-21.667,-41.03 -22.066,-40.631 -22.066,-39.828 U1C.B8@-21.667,-39.43 ; -21.667,-29.808 -21.642,-29.832 -20.466,-29.832 U1B.D17@-20.067,-29.434 U1B.D16@-20.067,-28.634 U1B.D15@-20.067,-27.834 U1B.D14@-20.067,-27.034 U1B.D13@-20.067,-26.234 U1B.D12@-20.067,-25.434 U1B.D11@-20.067,-24.634 U1B.D10@-20.067,-23.834 -20.466,-23.435 -20.466,-22.632 U1B.D8@-20.067,-22.234 U1B.D7@-20.067,-21.434 U1B.D6@-20.067,-20.634 U1B.D5@-20.067,-19.834 U1B.D4@-20.067,-19.034 U1B.D3@-20.067,-18.234 U1B.D2@-20.067,-17.434 U1B.D1@-20.067,-16.634 ; U1B.B17@-21.667,-29.434 -21.696,-29.405 -21.696,-28.817 -21.667,-28.788 U1B.B16@-21.667,-28.634 U1B.B15@-21.667,-27.834 U1B.B14@-21.667,-27.034 U1B.B13@-21.667,-26.234 U1B.B12@-21.667,-25.434 U1B.B11@-21.667,-24.634 U1B.B10@-21.667,-23.834 -22.066,-23.435 -22.066,-22.632 U1B.B8@-21.667,-22.234 U1B.B7@-21.667,-21.434 U1B.B6@-21.667,-20.634 U1B.B5@-21.667,-19.834 U1B.B4@-21.667,-19.034 U1B.B3@-21.667,-18.234 U1B.B2@-21.667,-17.434 U1B.B1@-21.667,-16.634 ; U1A.B8@-21.667,-5.045 -21.269,-5.444 -21.269,-6.247 -20.466,-6.247 ; U1C.D8@-20.067,-39.43 -20.466,-39.828 -20.466,-40.631 U1C.D10@-20.067,-41.03 U1C.D11@-20.067,-41.83 U1C.D12@-20.067,-42.63 U1C.D13@-20.067,-43.43 U1C.D14@-20.067,-44.23 U1C.D15@-20.067,-45.03 U1C.D16@-20.067,-45.83 U1C.D17@-20.067,-46.63 -20.067,-47.119 -20.466,-47.518 -21.158,-47.518 -21.631,-47.045 ; U1A.D8@-20.067,-5.045 -20.061,-5.052 -20.074,-5.052 -20.466,-5.444 -20.466,-6.247 ; U1A.D10@-20.061,-6.639 U1A.D10@-20.067,-6.645 -20.466,-6.247
  Bottom Layer w0.15: IC22.5@-42.072,-50.844 -42.072,-48.391 v1(-41.93,-48.248) ; -22.358,-12.936 U1A.B17@-21.667,-12.245 ; U1C.B8@-21.667,-39.43 U1C.B7@-21.667,-38.63 U1C.B6@-21.667,-37.83 U1C.B5@-21.667,-37.03 U1C.B4@-21.667,-36.23 U1C.B3@-21.667,-35.43 U1C.B2@-21.667,-34.63 U1C.B1@-21.667,-33.83 ; U1A.B8@-21.667,-5.045 U1A.B7@-21.667,-4.245 U1A.B6@-21.667,-3.445 U1A.B5@-21.667,-2.645 U1A.B4@-21.667,-1.845 U1A.B3@-21.667,-1.045 U1A.B2@-21.667,-0.245 U1A.B1@-21.667,0.555 ; -21.269,-6.247 U1A.B10@-21.667,-6.645 U1A.B11@-21.667,-7.445 U1A.B12@-21.667,-8.245 U1A.B13@-21.667,-9.045 U1A.B14@-21.667,-9.845 U1A.B15@-21.667,-10.645 U1A.B16@-21.667,-11.445 U1A.B17@-21.667,-12.245 ; -21.181,-12.732 U1A.B17@-21.667,-12.245 ; U1C.D8@-20.067,-39.43 U1C.D7@-20.067,-38.63 U1C.D6@-20.067,-37.83 U1C.D5@-20.067,-37.03 U1C.D4@-20.067,-36.23 U1C.D3@-20.067,-35.43 U1C.D2@-20.067,-34.63 U1C.D1@-20.067,-33.83 ; U1A.D16@-20.067,-11.445 U1A.D15@-20.067,-10.645 U1A.D14@-20.067,-9.845 U1A.D13@-20.067,-9.045 U1A.D12@-20.067,-8.245 U1A.D11@-20.067,-7.445 U1A.D10@-20.067,-6.645 ; U1A.D8@-20.067,-5.045 U1A.D7@-20.067,-4.245 U1A.D6@-20.067,-3.445 U1A.D5@-20.067,-2.645 U1A.D4@-20.067,-1.845 U1A.D3@-20.067,-1.045 U1A.D2@-20.067,-0.245 U1A.D1@-20.067,0.555
  Bottom Layer w0.152: R22A.2@-27.297,-12.344 -27.163,-12.21 R22A.2@-27.149,-12.21 ; -27.221,-11.921 -27.221,-12.138 R22A.2@-27.149,-12.21 ; -27.149,-7.844 -27.123,-7.87 R44A.2@-27.123,-8.248 R40A.2@-27.123,-9.06 -27.123,-9.495 R36A.2@-27.124,-9.924 R32A.2@-27.124,-10.661 ; R56A.2@-27.149,-5.098 R60A.2@-27.149,-4.285 R64A.2@-27.149,-3.422 -27.149,-3.019 R68A.2@-27.149,-2.609 R72A.2@-27.149,-1.821 -27.149,-1.444 -27.162,-1.431 -27.174,-1.418 R76A.2@-27.174,-1.009 R80A.2@-27.174,-0.272 R84A.2@-27.174,0.515 -27.835,0.515 -27.924,0.605 -27.924,1.722 C74A.1@-28.038,1.836 C71A.1@-27.124,1.836 ; C71A.1@-27.133,1.846 C71A.1@-27.124,1.836 ; R22A.2@-27.077,-12.21 R22A.2@-27.149,-12.21 ; C26A.1@-27.029,-13.201 C72A.1@-26.05,-13.201 ; v1(-23.98,-32.079) -22.646,-32.079 -22.11,-32.615 -22.11,-33.387 U1C.B1@-21.667,-33.83 -21.133,-33.295 -20.601,-33.295 U1C.D1@-20.067,-33.83 ; v1(-22.554,-64.353) -22.507,-64.306 -22.228,-64.306 -21.876,-63.953 -21.693,-63.771 -21.693,-63.052 U1D.B16@-21.667,-63.025 ; U1D.B10@-21.667,-58.308 U1D.B11@-21.667,-59.025 U1D.B12@-21.667,-59.825 U1D.B13@-21.667,-60.625 U1D.B14@-21.667,-61.425 U1D.B15@-21.667,-62.225 U1D.B16@-21.667,-63.025 ; U1C.B17@-21.667,-46.63 U1C.B16@-21.667,-45.83 U1C.B15@-21.667,-45.03 U1C.B14@-21.667,-44.23 U1C.B13@-21.667,-43.43 U1C.B12@-21.667,-42.63 U1C.B11@-21.667,-41.83 U1C.B10@-21.667,-41.03 ; U1A.B1@-21.664,0.558 -21.256,0.966 -20.697,0.966 -20.343,0.612 -20.124,0.612 U1A.D1@-20.067,0.555 ; -21.181,-12.732 -20.554,-12.732 U1A.D17@-20.067,-12.245 U1A.D16@-20.067,-11.445 ; U1A.D1@-20.076,0.563 -20.076,1.123 -20.789,1.836 -24.565,1.836 -25.355,1.045 -26.676,1.045 -27.018,1.387 -27.018,1.73 C71A.1@-27.124,1.836 ; U1D.D10@-20.067,-58.225 U1D.D11@-20.067,-59.025 U1D.D12@-20.067,-59.825 U1D.D13@-20.067,-60.625 U1D.D14@-20.067,-61.425 U1D.D15@-20.067,-62.225 U1D.D16@-20.067,-63.025 U1D.D17@-20.067,-63.825 -20.576,-64.334 -21.158,-64.334 U1D.B17@-21.667,-63.825 U1D.B16@-21.667,-63.025
  Bottom Layer w0.254: v1@-41.992,-32.527 v1(-41.917,-32.527) ; -27.196,-11.912 -27.196,-11.495 R28A.2@-27.149,-11.448 ; R84A.2@-27.174,0.515 -27.162,0.503 -27.162,-1.431 -27.162,-5.085 R56A.2@-27.149,-5.098 -27.08,-5.166 -27.08,-5.789 -26.975,-5.894 -26.975,-6.256 -27.046,-6.327 -27.046,-6.564 -27.129,-6.647 R52A.2@-27.149,-6.647 R48A.2@-27.149,-7.435 -27.149,-7.844 R28A.2@-27.149,-11.448 ; R22A.2@-27.149,-12.21 -27.149,-11.895 ; R28A.2@-27.149,-11.47 R28A.2@-27.149,-11.448 ; R28A.2@-27.124,-11.423 R28A.2@-27.149,-11.448 ; R22A.2@-27.077,-12.21 -27.077,-13.154 C26A.1@-27.029,-13.201 ; C26D.1@-27.029,-64.781 -27.089,-64.721 -27.089,-56.738 R56D.2@-27.149,-56.678 -27.162,-56.665 -27.162,-53.019 -27.162,-51.078 R84D.2@-27.174,-51.065 -27.174,-50.524 C74D.1@-26.87,-50.219 C71D.1@-25.625,-50.219 -22.518,-50.219 -21.712,-51.025 U1D.B1@-21.667,-51.025 ; C26D.1@-27.029,-64.581 C72D.1@-26.05,-64.581 ; C74B.1@-26.588,-15.539 -26.941,-15.892 -26.941,-15.947 -27.174,-16.181 R84B.2@-27.174,-16.673 -27.162,-16.686 -27.162,-23.823 R52B.2@-27.149,-23.836 -27.089,-23.896 -27.089,-30.329 C26B.1@-27.029,-30.389 C72B.1@-26.05,-30.389 ; C74B.1@-26.583,-15.444 C71B.1@-25.666,-15.444 ; C72C.1@-26.05,-47.585 C26C.1@-27.029,-47.585 -27.089,-47.525 -27.089,-46.654 R22C.2@-27.149,-46.595 R56C.2@-27.149,-39.482 -27.162,-39.47 -27.162,-33.882 R84C.2@-27.174,-33.869 -27.174,-32.615 C74C.1@-27.029,-32.47 C71C.1@-26.115,-32.47 -25.932,-32.653 -25.932,-32.708 -25.563,-33.078 -24.867,-33.078 -24.668,-32.878 -24.668,-32.767 v1(-23.98,-32.079) ; C71B.1@-25.661,-15.449 -25.478,-15.632 -25.478,-15.847 -25.33,-15.996 -23.967,-15.996 -23.745,-15.774 v1(-23.745,-14.847) -23.745,-14.323 -22.358,-12.936 ; v1(-22.358,-29.984) -22.33,-29.956 -21.816,-29.956 -21.667,-29.808 U1B.B17@-21.667,-29.434
  Bottom Layer w0.3: C122.1@-41.713,-25.114 -41.467,-25.114 -40.653,-25.929 -40.653,-26.793 -40.031,-27.415 IC19.8@-40.031,-27.528 ; IC19.8@-40.031,-27.959 -40.031,-28.621 -38.824,-28.621 v3(-38.779,-28.667)
INP0: D2A.6 J1.1 R22A.1 R24A.1 | length 25.4
  Top Layer w0.152: v1(-32.24,-13.988) D2A.6@-32.24,-12.878
  Int3 (Sign) w0.127: v1(-32.24,-13.988) -30.855,-13.988 -29.599,-12.732 -28.567,-12.732 -28.046,-12.21 v1(-25.963,-12.21)
  Int4 (Sign) w0.127: v1(-32.24,-13.988) -31.545,-13.988 -29.257,-11.7 -28.624,-11.7 -28.168,-11.243 -28.168,-10.527 -28.844,-9.851 -28.844,-9.577 -29.775,-8.646 -29.775,-5.42 v1(-28.314,-3.959)
  Bottom Layer w0.152: J1.1@-30.428,-4.31 -28.665,-4.31 v1(-28.314,-3.959) ; R22A.1@-26.489,-12.21 -26.117,-12.21 v1(-25.963,-12.21) -25.605,-12.21 -25.586,-12.229 -25.586,-12.325 -25.371,-12.325 R24A.1@-25.352,-12.344